# Altium PCB PCB_Rev1.1.PcbDoc (part 2 of 3) (continued)
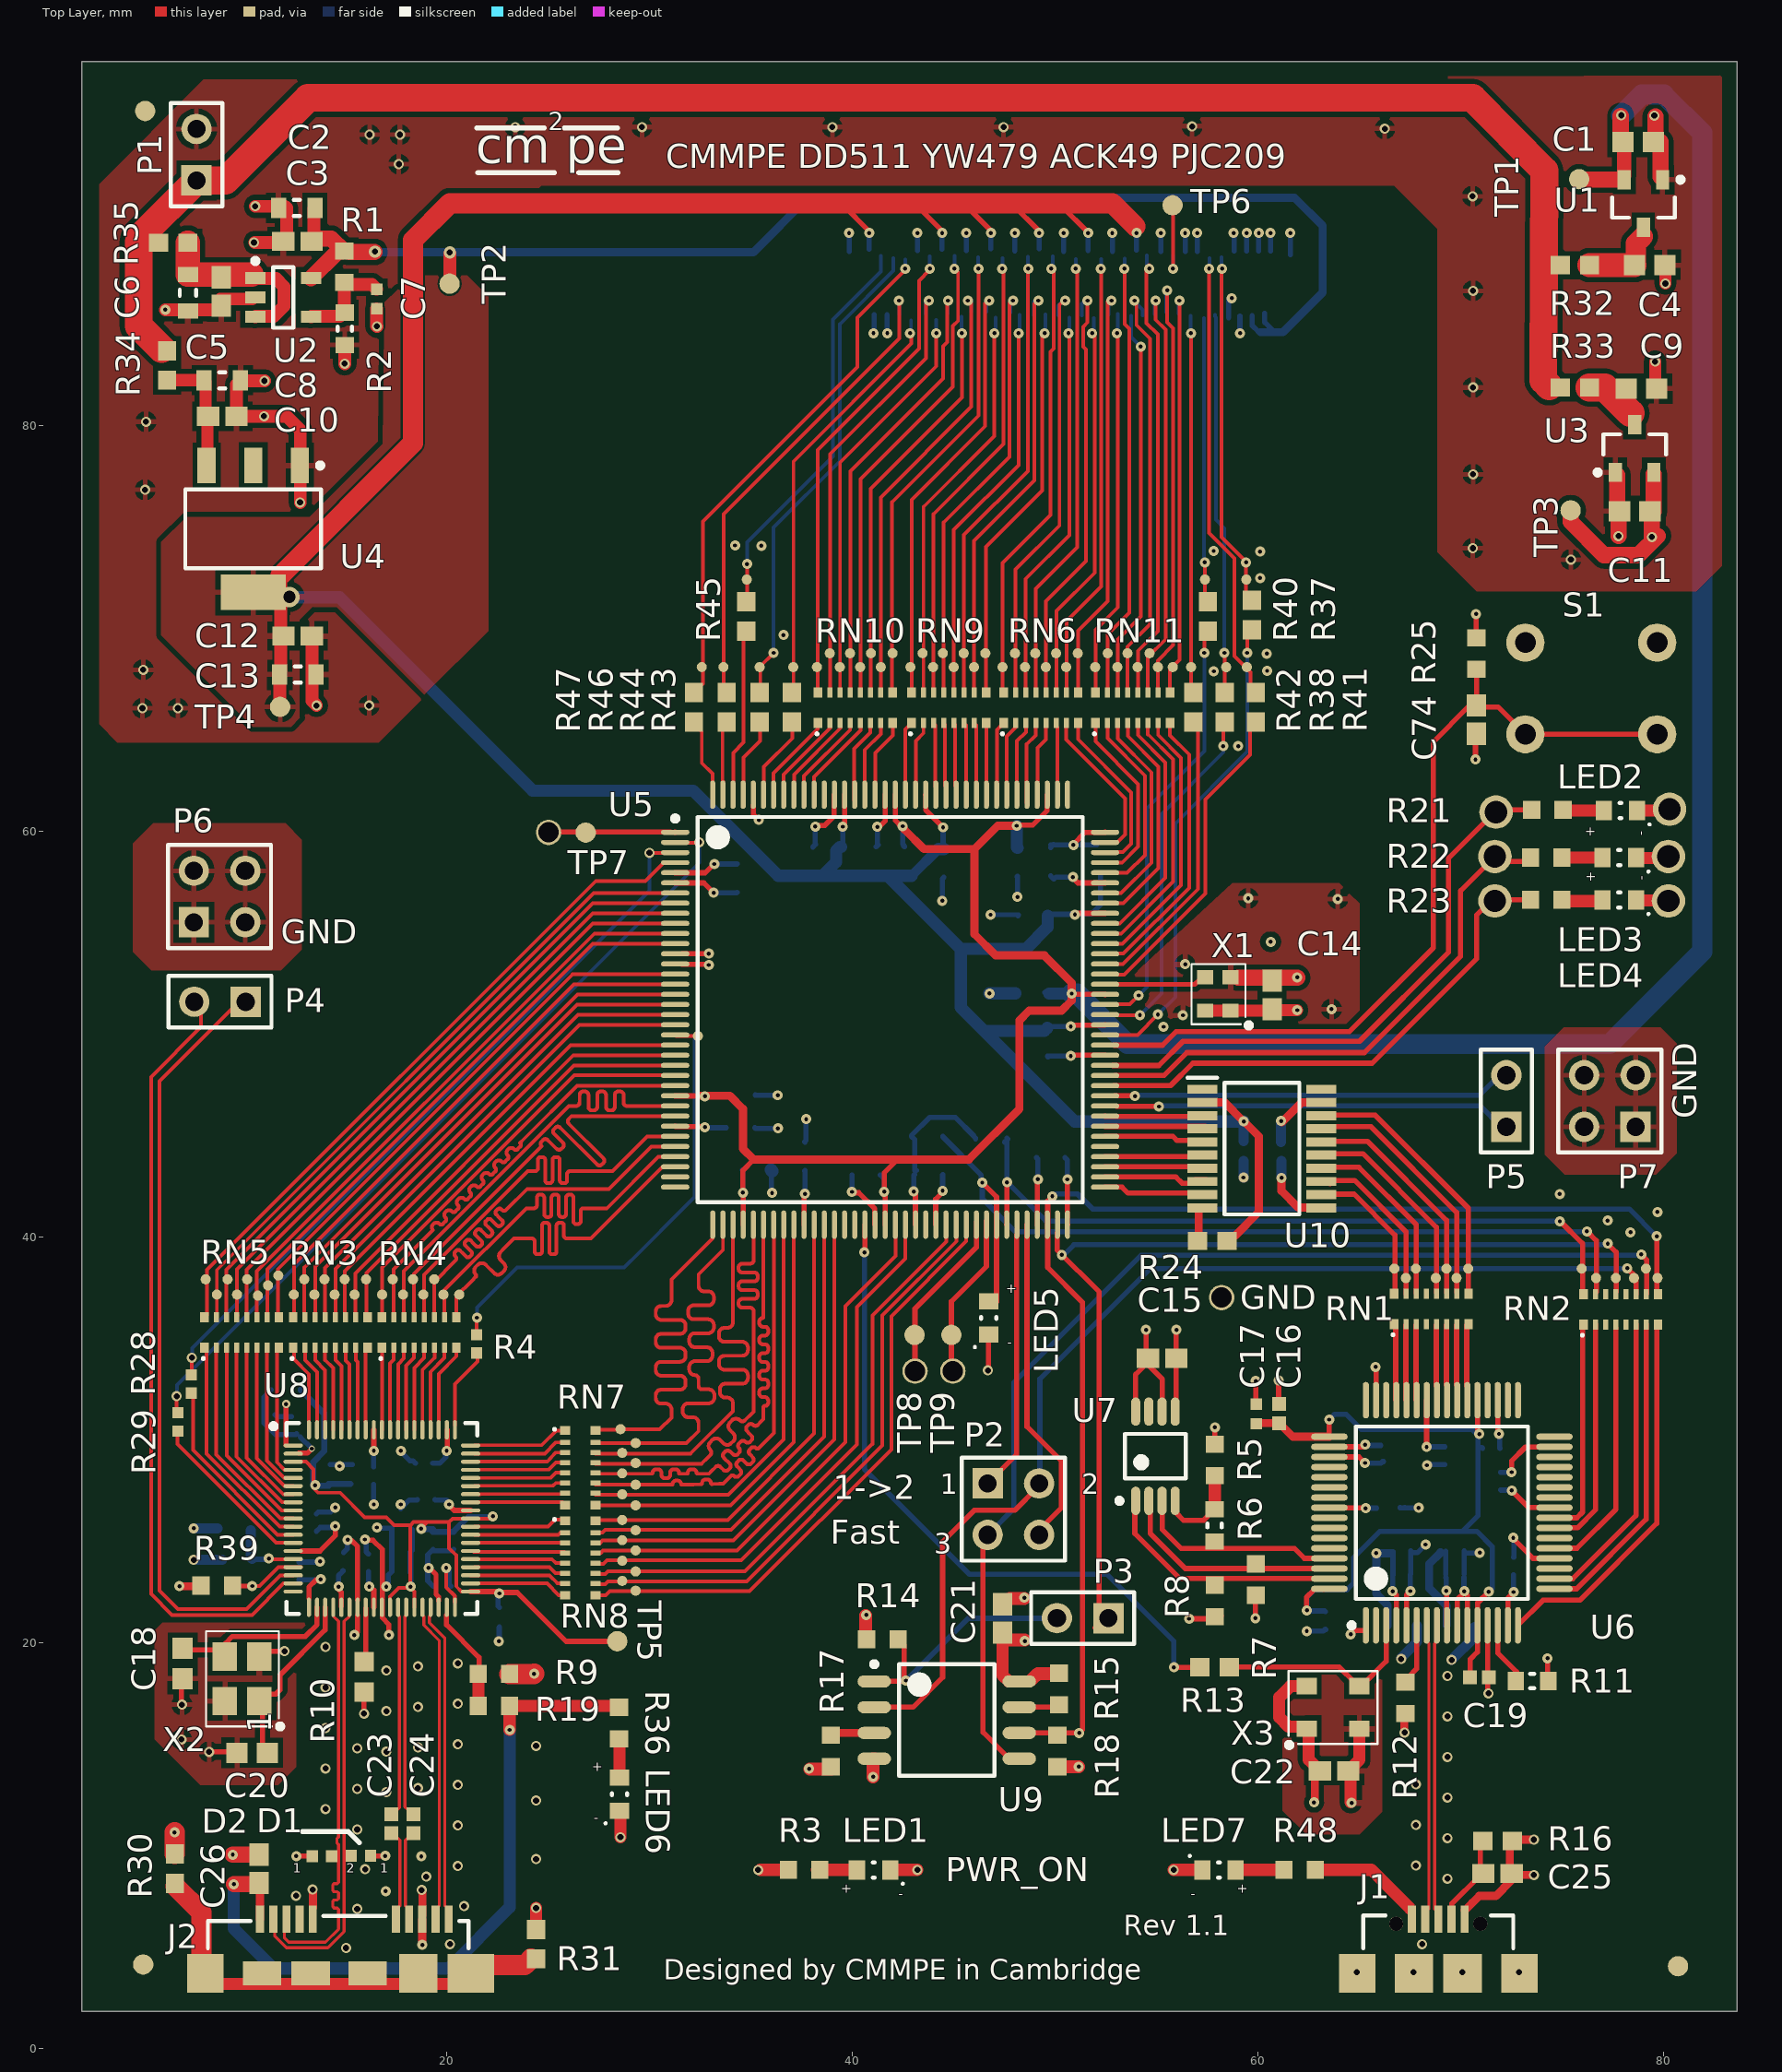
[diagram p0: Top Layer view]
## Nets (pads, with @x,y where several pads share a name; then routed paths per layer and width w, separated by ;. In a path a pad name is that pad's centre, name@x,y a point inside that pad or via, vN(x,y) a via of type N, cw(c..) or ccw(c..) an arc to the next point about the centre after c; other vN are vias at no path point) (continued)
FIFO_D13: pad.2@28.638,29.347 RN7.14 U5.39 | length 21.8
  Top Layer w0.18: RN7.14@27.331,29.317 32.017,29.317 34.1,31.4 34.1,31.729 34.1,31.798 ccw(c33.825,31.798) 33.825,32.073 33.729,32.073 cw(c33.729,32.348) 33.454,32.348 33.454,32.486 cw(c33.729,32.486) 33.729,32.761 34.1,32.761 34.563,32.761 ccw(c34.563,33.036) 34.838,33.036 34.838,33.174 ccw(c34.563,33.174) 34.563,33.449 34.1,33.449 33.685,33.449 cw(c33.685,33.724) 33.41,33.724 33.41,33.862 cw(c33.685,33.862) 33.685,34.137 34.1,34.137 34.563,34.137 ccw(c34.563,34.412) 34.838,34.412 34.838,34.55 ccw(c34.563,34.55) 34.563,34.825 34.1,34.825 33.685,34.825 cw(c33.685,35.1) 33.41,35.1 33.41,35.238 cw(c33.685,35.238) 33.685,35.513 33.825,35.513 ccw(c33.825,35.788) 34.1,35.788 34.1,36.201 U5.39@34.1,39.992
FIFO_D14: pad.2@29.302,29.833 RN7.15 U5.38 | length 23.3
  Top Layer w0.18: RN7.15@27.531,29.829 27.535,29.825 31.803,29.825 32.405,30.427 32.405,30.76 32.405,30.829 ccw(c32.13,30.829) 32.13,31.104 31.9,31.104 cw(c31.9,31.379) 31.625,31.379 31.625,31.517 cw(c31.9,31.517) 31.9,31.792 32.405,31.792 32.91,31.792 ccw(c32.91,32.067) 33.185,32.067 33.185,32.205 ccw(c32.91,32.205) 32.91,32.48 32.574,32.48 cw(c32.574,32.649) 32.405,32.649 32.405,32.839 32.405,33 ccw(c32.222,33) 32.222,33.183 cw(c32.222,33.458) 31.947,33.458 31.947,33.596 cw(c32.222,33.596) 32.222,33.871 32.405,33.871 32.815,33.871 ccw(c32.815,34.146) 33.09,34.146 33.09,34.284 ccw(c32.815,34.284) 32.815,34.559 32.405,34.559 32.222,34.559 cw(c32.222,34.834) 31.947,34.834 31.947,34.972 cw(c32.222,34.972) 32.222,35.247 32.405,35.247 32.883,35.247 ccw(c32.883,35.522) 33.158,35.522 33.158,35.66 ccw(c32.883,35.66) 32.883,35.935 32.405,35.935 32.169,35.935 cw(c32.169,36.21) 31.893,36.21 31.893,36.348 cw(c32.169,36.348) 32.169,36.623 32.405,36.623 32.883,36.623 ccw(c32.883,36.898) 33.158,36.898 33.158,37.036 ccw(c32.883,37.036) 32.883,37.311 32.68,37.311 cw(c32.68,37.586) 32.405,37.586 32.405,37.627 32.405,38.14 33.61,39.345 U5.38@33.61,40.028
FIFO_D15: pad.2@28.559,30.519 RN7.16 U5.37 | length 22
  Top Layer w0.18: RN7.16@27.404,30.433 27.46,30.489 pad.2@28.559,30.489 ; pad.2@28.649,30.51 30.491,30.51 31.07,31.089 31.07,31.433 31.07,31.502 ccw(c30.795,31.502) 30.795,31.777 30.565,31.777 cw(c30.565,32.052) 30.29,32.052 30.29,32.19 cw(c30.565,32.19) 30.565,32.465 31.07,32.465 31.489,32.465 ccw(c31.489,32.74) 31.764,32.74 31.764,32.878 ccw(c31.489,32.878) 31.489,33.153 31.07,33.153 30.565,33.153 cw(c30.565,33.428) 30.29,33.428 30.29,33.566 cw(c30.565,33.566) 30.565,33.841 31.07,33.841 31.489,33.841 ccw(c31.489,34.116) 31.764,34.116 31.764,34.254 ccw(c31.489,34.254) 31.489,34.529 31.07,34.529 30.565,34.529 cw(c30.565,34.804) 30.29,34.804 30.29,34.942 cw(c30.565,34.942) 30.565,35.217 31.07,35.217 31.489,35.217 ccw(c31.489,35.492) 31.764,35.492 31.764,35.63 ccw(c31.489,35.63) 31.489,35.905 31.07,35.905 30.565,35.905 cw(c30.565,36.18) 30.29,36.18 30.29,36.318 cw(c30.565,36.318) 30.565,36.593 30.795,36.593 ccw(c30.795,36.868) 31.07,36.868 31.07,37.117 31.07,37.894 U5.37@33.093,39.917
FIFO_D16: pad.2@20.604,37.153 RN4.9 U5.34 | length 21.1
  Top Layer w0.18: RN4.9@20.461,36.029 20.461,37.073 21.229,37.841 21.42,38.032 ccw(c21.368,38.084) 21.42,38.137 cw(c21.615,38.331) 21.42,38.526 21.517,38.623 cw(c21.712,38.428) 21.906,38.623 21.959,38.571 22.316,38.214 ccw(c22.51,38.408) 22.705,38.214 22.802,38.311 ccw(c22.608,38.506) 22.802,38.7 22.64,38.863 cw(c22.834,39.057) 22.64,39.252 22.807,39.419 23.307,39.919 23.782,39.919 23.962,39.919 24.178,39.919 cw(c24.178,39.775) 24.322,39.775 24.322,39.283 ccw(c24.466,39.283) 24.466,39.139 24.538,39.139 ccw(c24.538,39.283) 24.682,39.283 24.682,39.919 24.682,40.555 cw(c24.826,40.555) 24.826,40.699 24.898,40.699 cw(c24.898,40.555) 25.042,40.555 25.042,39.919 25.042,39.283 ccw(c25.186,39.283) 25.186,39.139 25.258,39.139 ccw(c25.258,39.283) 25.402,39.283 25.402,39.919 25.402,40.555 cw(c25.546,40.555) 25.546,40.699 25.618,40.699 cw(c25.618,40.555) 25.762,40.555 25.762,40.063 ccw(c25.906,40.063) 25.906,39.919 25.986,39.919 27.101,39.919 U5.34@30.625,43.443
FIFO_D17: pad.2@19.821,37.153 RN4.10 U5.33 | length 21.9
  Top Layer w0.18: RN4.10@19.873,36.029 19.873,37.377 23.905,41.409 24.252,41.409 24.288,41.409 ccw(c24.288,41.553) 24.432,41.553 24.432,41.936 cw(c24.576,41.936) 24.576,42.08 24.648,42.08 cw(c24.648,41.936) 24.792,41.936 24.792,41.409 24.792,41.123 ccw(c24.936,41.123) 24.936,40.979 25.008,40.979 ccw(c25.008,41.123) 25.152,41.123 25.152,41.409 25.152,41.936 cw(c25.296,41.936) 25.296,42.08 25.368,42.08 cw(c25.368,41.936) 25.512,41.936 25.512,41.409 25.512,41.123 ccw(c25.656,41.123) 25.656,40.979 25.728,40.979 ccw(c25.728,41.123) 25.872,41.123 25.872,41.409 25.872,41.936 cw(c26.016,41.936) 26.016,42.08 26.088,42.08 cw(c26.088,41.936) 26.232,41.936 26.232,41.409 26.232,40.773 ccw(c26.376,40.773) 26.376,40.629 26.448,40.629 ccw(c26.448,40.773) 26.592,40.773 26.592,41.265 cw(c26.736,41.265) 26.736,41.409 26.768,41.409 27.882,41.409 30.424,43.951 U5.33@31.253,43.951
FIFO_D18: pad.2@19.369,37.907 RN4.11 U5.32 | length 21.3
  Top Layer w0.18: RN4.11@19.359,36.029 19.359,37.772 20.395,38.808 20.42,38.833 ccw(c20.319,38.935) 20.42,39.037 20.398,39.059 cw(c20.5,39.161) 20.398,39.263 20.449,39.314 cw(c20.551,39.212) 20.653,39.314 20.777,39.19 20.93,39.036 ccw(c21.032,39.138) 21.134,39.036 21.185,39.087 ccw(c21.083,39.189) 21.185,39.291 21.031,39.444 20.907,39.569 cw(c21.009,39.67) 20.907,39.772 20.958,39.823 cw(c21.06,39.721) 21.162,39.823 21.286,39.699 21.44,39.545 ccw(c21.541,39.647) 21.643,39.545 21.694,39.596 ccw(c21.592,39.698) 21.694,39.8 21.541,39.954 21.416,40.078 cw(c21.518,40.18) 21.416,40.281 21.467,40.332 cw(c21.569,40.23) 21.671,40.332 21.795,40.208 21.949,40.054 ccw(c22.05,40.156) 22.152,40.054 22.203,40.105 ccw(c22.101,40.207) 22.203,40.309 22.05,40.463 21.925,40.587 cw(c22.027,40.689) 21.925,40.79 21.976,40.841 cw(c22.078,40.74) 22.18,40.841 22.304,40.717 22.458,40.564 ccw(c22.56,40.665) 22.661,40.564 22.712,40.615 ccw(c22.61,40.716) 22.712,40.818 22.559,40.972 22.435,41.096 cw(c22.536,41.198) 22.435,41.3 22.485,41.351 cw(c22.587,41.249) 22.689,41.351 22.711,41.328 ccw(c22.813,41.43) 22.915,41.328 22.922,41.335 23.949,42.362 27.985,42.362 30.074,44.451 U5.32@31.253,44.451
FIFO_D19: pad.2@18.831,37.153 RN4.12 U5.31 | length 21.3
  Top Layer w0.18: RN4.12@18.873,36.029 18.873,38.137 23.978,43.241 24.301,43.241 24.337,43.241 ccw(c24.337,43.385) 24.481,43.385 24.481,43.787 cw(c24.625,43.787) 24.625,43.931 24.697,43.931 cw(c24.697,43.787) 24.841,43.787 24.841,43.241 24.841,42.788 ccw(c24.985,42.788) 24.985,42.644 25.057,42.644 ccw(c25.057,42.788) 25.201,42.788 25.201,43.241 25.201,43.787 cw(c25.345,43.787) 25.345,43.931 25.417,43.931 cw(c25.417,43.787) 25.561,43.787 25.561,43.241 25.561,42.788 ccw(c25.705,42.788) 25.705,42.644 25.777,42.644 ccw(c25.777,42.788) 25.921,42.788 25.921,43.097 cw(c26.065,43.097) 26.065,43.241 26.157,43.241 28.169,43.241 29.875,44.947 U5.31@30.706,44.947
FIFO_D20: pad.2@18.322,37.907 RN4.13 U5.29 | length 25.3
  Top Layer w0.18: RN4.13@18.359,36.029 18.359,38.168 24.506,44.315 24.66,44.469 cw(c24.776,44.585) 24.66,44.701 24.735,44.776 cw(c24.851,44.66) 24.967,44.776 25.398,44.344 ccw(c25.521,44.467) 25.644,44.344 25.705,44.406 ccw(c25.582,44.528) 25.705,44.651 25.274,45.083 cw(c25.39,45.199) 25.274,45.315 25.349,45.39 cw(c25.465,45.274) 25.581,45.39 27.397,43.573 ccw(c27.52,43.696) 27.642,43.573 27.704,43.635 ccw(c27.581,43.758) 27.704,43.88 26.01,45.574 cw(c26.133,45.696) 26.01,45.819 26.035,45.844 26.142,45.951 U5.29@31.253,45.951
FIFO_D21: pad.2@17.832,37.153 RN4.14 U5.28 | length 23.3
  Top Layer w0.18: RN4.14@17.873,36.029 17.873,37.153 17.873,38.312 23.988,44.427 26.012,46.451 26.322,46.451 26.365,46.451 ccw(c26.365,46.625) 26.539,46.625 26.539,46.995 cw(c26.713,46.995) 26.713,47.168 26.799,47.168 cw(c26.799,46.995) 26.973,46.995 26.973,46.451 26.973,46.406 ccw(c27.147,46.406) 27.147,46.233 27.233,46.233 ccw(c27.233,46.406) 27.407,46.406 27.407,46.451 27.407,46.995 cw(c27.581,46.995) 27.581,47.168 27.667,47.168 cw(c27.667,46.995) 27.841,46.995 27.841,46.451 27.841,46.406 ccw(c28.015,46.406) 28.015,46.233 28.101,46.233 ccw(c28.101,46.406) 28.275,46.406 28.275,46.451 28.275,46.995 cw(c28.449,46.995) 28.449,47.168 28.535,47.168 cw(c28.535,46.995) 28.709,46.995 28.709,46.625 ccw(c28.883,46.625) 28.883,46.451 28.889,46.451 U5.28@31.253,46.451
FIFO_D22: pad.2@17.321,37.907 RN4.15 U5.26 | length 22.6
  Top Layer w0.18: RN4.15@17.373,36.029 17.373,38.406 19.153,40.186 19.306,40.339 cw(c19.437,40.47) 19.306,40.6 19.353,40.646 cw(c19.483,40.516) 19.613,40.646 ccw(c19.711,40.744) 19.809,40.646 19.92,40.757 ccw(c19.822,40.855) 19.92,40.953 cw(c20.051,41.084) 19.92,41.214 19.966,41.26 cw(c20.097,41.13) 20.227,41.26 ccw(c20.325,41.358) 20.423,41.26 20.534,41.371 ccw(c20.436,41.469) 20.534,41.567 cw(c20.664,41.697) 20.534,41.828 20.58,41.874 cw(c20.71,41.743) 20.841,41.874 ccw(c20.939,41.972) 21.037,41.874 21.148,41.985 ccw(c21.05,42.083) 21.148,42.181 cw(c21.278,42.311) 21.148,42.442 21.194,42.488 cw(c21.324,42.357) 21.455,42.488 ccw(c21.553,42.586) 21.65,42.488 21.762,42.599 ccw(c21.664,42.697) 21.762,42.795 cw(c21.892,42.925) 21.762,43.055 21.808,43.101 cw(c21.938,42.971) 22.068,43.101 ccw(c22.166,43.199) 22.264,43.101 22.375,43.212 ccw(c22.277,43.31) 22.375,43.408 cw(c22.506,43.539) 22.375,43.669 22.421,43.715 cw(c22.552,43.585) 22.682,43.715 ccw(c22.78,43.813) 22.878,43.715 22.989,43.826 ccw(c22.891,43.924) 22.989,44.022 cw(c23.119,44.152) 22.989,44.283 23.035,44.329 cw(c23.166,44.199) 23.296,44.329 ccw(c23.394,44.427) 23.492,44.329 23.603,44.44 ccw(c23.505,44.538) 23.603,44.636 23.789,44.822 26.417,47.45 U5.26@31.253,47.45
FIFO_D23: pad.2@16.801,37.153 RN4.16 U5.25 | length 20.1
  Top Layer w0.18: RN4.16@16.807,36.165 16.807,37.22 16.807,38.498 26.272,47.964 U5.25@30.609,47.964
FIFO_D24: pad.2@16.009,37.907 RN3.9 U5.24 | length 21.5
  Top Layer w0.18: RN3.9@16.023,36.158 16.023,38.218 26.256,48.451 U5.24@31.253,48.451
FIFO_D25: pad.2@15.441,37.153 RN3.10 U5.23 | length 22.2
  Top Layer w0.18: RN3.10@15.475,36.24 15.475,38.205 26.221,48.951 U5.23@31.253,48.951
FIFO_D26: pad.2@14.949,37.907 RN3.11 U5.22 | length 22.6
  Top Layer w0.18: RN3.11@14.956,36.165 14.956,38.318 26.093,49.454 U5.22@30.835,49.454
FIFO_D27: pad.2@14.452,37.153 RN3.12 U5.20 | length 24.1
  Top Layer w0.18: RN3.12@14.5,36.029 14.5,38.414 26.537,50.451 U5.20@31.253,50.451
FIFO_D28: pad.2@13.954,37.907 RN3.13 U5.19 | length 24.7
  Top Layer w0.18: RN3.13@13.979,36.199 13.979,38.47 26.46,50.951 U5.19@31.253,50.951
FIFO_D29: pad.2@13.457,37.153 RN3.14 U5.18 | length 25.6
  Top Layer w0.18: RN3.14@13.5,36.029 13.5,37.153 13.5,38.534 26.417,51.451 U5.18@31.253,51.451
FIFO_D30: pad.2@12.96,37.907 RN3.15 U5.17 | length 25.5
  Top Layer w0.18: RN3.15@12.967,36.199 12.967,38.484 26.431,51.948 U5.17@30.584,51.948
FIFO_D31: pad.2@12.443,37.153 RN3.16 U5.16 | length 27
  Top Layer w0.18: RN3.16@12.457,36.165 12.457,37.153 12.457,38.655 26.253,52.451 U5.16@31.253,52.451
FLASH_MISO: P2.2 pad.2@78.536,37.97 RN2.11 U9.2 | length 54.1
  Top Layer w0.254: U9.2@41.072,16.809 42.98,16.809 44.443,18.272 44.443,24.963 46.003,26.523 48.011,26.523 P2.2@49.134,27.646 ; v1(78.207,38.448) 78.65,38.005 RN2.11@78.65,37.181
  Bottom Layer w0.254: P2.2@49.239,28.081 49.239,32.993 54.674,38.428 76.334,38.428 v1@78.207,38.428
FLASH_MOSI: P2.3 pad.2@79.13,38.433 RN2.10 U9.5 | length 54.9
  Top Layer w0.254: P2.3@46.661,25.302 46.439,25.08 46.439,15.571 U9.5@47.632,14.378 ; v1(78.899,39.132) 79.173,38.858 RN2.10@79.173,37.181
  Bottom Layer w0.254: P2.3@46.846,25.486 47.951,26.591 47.951,32.812 54.224,39.085 76.014,39.085 v1@78.899,39.085
FT_CLK: R4.1 U8.58 | length 3.8
  Top Layer w0.18: U8.58@20.389,30.716 20.389,32.736 21.507,33.854 R4.1@21.507,34.06
FT_GPIO0: P4.1 U8.17 | length 38.8
  Top Layer w0.18: P4.1@10.29,51.374 9.527,51.374 5.821,47.668 5.821,22.559 6.726,21.654 10.123,21.654 11.78,23.311 U8.17@12.413,23.311
FT_GPIO1: P4.2 U8.18 | length 37.7
  Top Layer w0.18: P4.2@7.868,51.024 7.868,50.354 5.4,47.887 5.4,22.391 6.44,21.351 10.383,21.351 11.943,22.911 U8.18@12.413,22.911
FT_OE: R29.2 U5.2 | length 39.4
  Top Layer w0.18: R29.2@6.667,31.322 v2(6.667,32.146) ; U5.2@31.577,59.437 v2@32.361,59.437
  Bottom Layer w0.18: v2@6.681,32.329 6.681,32.685 32.435,58.439 v2(32.435,59.456)
FT_RD: R28.2 U5.3 | length 36.1
  Top Layer w0.112: U5.3@31.253,58.951 U5.3@31.259,58.946
  Top Layer w0.18: R28.2@7.416,33.254 v2(7.416,34.045) ; v2(29.986,58.932) U5.3@31.051,58.932
  Bottom Layer w0.18: v2@7.425,34.045 7.425,34.504 10.368,37.447 29.986,57.065 v2(29.986,58.932)
FT_RXF: pad.2@9.175,37.907 RN5.14 U5.8 | length 32
  Top Layer w0.18: RN5.14@9.122,36.029 9.122,38.376 27.197,56.451 U5.8@31.253,56.451
FT_SIWU: pad.2@8.649,37.153 RN5.15 U5.7 | length 32
  Top Layer w0.18: RN5.15@8.648,36.029 8.648,38.366 27.239,56.957 U5.7@30.629,56.957
FT_TXE: pad.2@9.645,37.153 RN5.13 U5.9 | length 31.2
  Top Layer w0.18: RN5.13@9.644,36.127 9.644,38.404 27.191,55.951 U5.9@31.253,55.951 ; RN5.13@9.651,36.127 RN5.13@9.658,36.12
FT_WR: pad.2@8.097,37.907 RN5.16 U5.4 | length 33.8
  Top Layer w0.18: RN5.16@8.035,36.029 8.156,36.151 8.156,38.37 27.336,57.55 29.784,57.55 30.685,58.451 U5.4@31.253,58.451
GND: C1.2 C2.1 C3.1 C4.2 C5.1 C6.1 C7.1 C8.1 C9.2 C10.1 C11.2 C12.1 C13.1 C14.1 C15.1 C16.1 C17.1 C18.1 C19.1 C20.1 C21.1 C22.1 C25.2 C26.1 C27.2 C28.2 C29.2 C30.2 C31.2 C32.2 C33.2 C34.2 C35.2 C36.2 C37.2 C38.2 C39.2 C40.2 C41.2 C42.2 C43.2 C44.2 C45.1 C46.1 C47.2 C48.2 C49.1 C50.2 C51.2 C52.1 C53.1 C54.2 C55.2 C56.2 C57.2 C58.2 C59.1 C60.1 C61.1 C62.2 C63.1 C64.2 C65.2 C66.2 C67.1 C68.1 C69.2 C70.2 C71.2 C72.1 C74.1 C75.1 C76.1 D1.1 D2.1 J1.5 J1.Shell J2.5 J2.8 J3.1 J3.3 J3.5 J3.6 J3.7 J3.8 J3.13 J3.15 J3.19 J3.27 J3.35 J3.43 J3.51 J3.59 J3.64 J3.66 J3.68 J3.69 LED1.2 LED2.2 LED3.2 LED4.2 LED5.2 LED6.2 LED7.2 P1.2 P6.1 P6.2 P6.3 P6.4 P7.1 P7.2 P7.3 P7.4 pad.1@58.202,37.005 pad.1@80.239,56.563 pad.1@80.239,58.755 pad.1@80.293,61.086 R2.1 R9.1 R10.1 R12.1 R16.2 R30.2 R31.2 S1.1 S1.2 U1.1 U2.2 U3.1 U4.1 U5.5 U5.13 U5.14 U5.53 U5.59 U5.69 U5.86 U5.103 U5.127 U5.132 U5.140 U6.1 U6.5 U6.10 U6.11 U6.13 U6.15 U6.25 U6.35 U6.47 U6.51 U7.5 U8.1 U8.26 U8.29 U8.36 U9.4 U10.11 X1.2 X2.2 X2.4 X3.3 | length 200.7
  Top Layer w0.245: C5.1@8.712,85.754 C5.1@8.868,85.91 ; U8.1@12.061,29.728 v6@12.061,31.756 ; v1(12.565,9.465) D2.1@13.327,9.465 ; v1@16.1,25.04 16.352,25.04 16.811,24.581 U8.29@16.811,21.759 ; D1.1@16.267,9.478 v1(16.952,9.478) ; U8.29@16.811,21.713 16.811,21.212 17.126,20.897 v1@17.126,20.378 ; v1@19.11,23.694 19.461,23.343 19.461,22.372 19.582,22.25 U8.36@19.582,22.074 ; U7.5@55.96,31.766 v1@55.96,35.412 ; v2(79.544,95.286) v2@79.593,95.237 ; U1.1@79.797,92.287 U1.1@79.956,92.128
  Top Layer w0.254: v2@6.904,16.933 6.904,18.185 C18.1@6.962,18.245 ; v2(8.266,14.607) 9.668,14.607 C20.1@9.676,14.614 ; X2.2@10.895,19.232 11.235,19.57 v2(11.99,19.57) ; v1@15.059,25.043 15.277,25.043 15.588,24.732 U8.26@15.588,22.084 ; v1(15.426,20.365) 15.584,20.523 U8.26@15.584,21.351 ; v2(15.908,16.496) R10.1@15.908,17.543 ; U5.5@31.253,57.951 32.727,57.951 33.159,58.383 v1(33.187,58.383) ; U5.14@31.577,53.436 v1@32.99,53.436 ; U5.13@31.6,53.964 v1@33.013,53.964 ; U5.140@35.106,61.286 35.106,60.833 v1(35.378,60.561) ; v1@38.163,60.286 38.632,60.286 39.094,60.748 39.094,61.792 U5.132@39.103,61.801 ; v1(39.97,42.22) 40.018,42.173 40.309,42.173 41.094,41.389 41.094,40.61 U5.53@41.103,40.601 ; v1@41.267,60.102 41.267,60.169 41.603,60.505 U5.127@41.603,61.801 ; U5.59@44.103,40.601 44.103,41.864 44.444,42.205 v1(44.444,42.271) ; v2@46.695,33.412 LED5.2@46.695,35.215 ; U5.69@49.105,40.576 v1@49.105,42.652 ; v1@50.742,48.86 50.809,48.86 50.899,48.951 U5.86@52.453,48.951 ; v1@50.855,57.646 50.922,57.646 51.117,57.451 U5.103@52.453,57.451 ; v1(59.889,32.888) 59.898,32.879 59.898,31.757 C17.1@59.908,31.747 ; v1(61.014,32.912) 61.014,31.734 C16.1@61.036,31.712 ; U6.51@63.516,29.146 64.978,29.146 v1(65.272,28.852) ; v1(64.569,20.403) 64.754,20.588 65.295,20.588 65.316,20.609 U6.1@65.316,20.846 ; U6.47@65.816,31.946 v1@65.816,33.568 ; R12.1@67.211,16.572 R12.1@67.256,16.616 ; U6.5@67.316,20.846 67.316,22.337 v1(67.509,22.53) ; U6.10@69.816,20.846 69.825,20.855 69.825,22.117 v1@70.168,22.46 ; v1(70.168,22.526) v1@70.168,22.46 ; U6.11@70.316,20.846 70.316,22.312 v1@70.168,22.46 ; v1(70.721,63.533) 70.721,64.768 C74.1@70.759,64.806 ; U6.13@71.316,20.846 71.325,20.837 v2@71.325,17.491 ; v1@71.816,30.293 U6.35@71.816,31.946 ; U6.15@72.316,20.846 72.316,22.184 72.615,22.484 v1@72.615,22.55 ; v1(72.507,27.494) 73.346,26.655 74.607,26.655 U6.25@74.616,26.646 ; C25.2@72.511,8.606 C25.2@72.578,8.539 ; R16.2@72.536,10.207 R16.2@72.61,10.281
  Top Layer w0.4: J2.5@13.382,6.927 v2@13.382,7.814 ; v1(18.782,5.087) J2.8@18.782,6.334 ; J2.8@18.79,6.547 v2@18.79,7.794 ; v1(61.154,42.906) 61.154,42.268 61.98,41.442 U10.11@62.784,41.442 ; v2@67.211,15.558 R12.1@67.211,16.572 ; J1.5@70.205,6.804 70.561,7.16 70.901,7.5 71.726,7.5 C25.2@72.466,8.24 ; C25.2@72.42,8.606 R16.2@72.42,9.775 ; C25.2@72.578,8.539 v2(73.603,8.539) ; R16.2@72.61,10.281 v2(73.601,10.281)
  Top Layer w0.6: R31.2@24.391,5.852 v2(24.391,6.906) ; v2(28.55,10.404) LED6.2@28.55,11.735 ; LED1.2@41.866,8.787 v2(43.197,8.787) ; v2(55.84,8.787) LED7.2@57.208,8.787 ; C22.1@64.448,13.67 64.995,14.217 X3.3@64.995,15.748 ; v1@64.566,12.125 C22.1@64.566,13.333 ; LED4.2@78.574,56.581 pad.1@80.585,56.581 ; LED3.2@78.609,58.68 79.953,58.68 pad.1@80.23,58.957 ; LED2.2@78.649,61.019 pad.1@79.98,61.019 ; C1.2@79.488,93.98 C1.2@79.513,93.98 ; C9.2@79.582,81.819 v2(79.582,83.157) ; C4.2@80.071,87.92 80.089,87.902 v2(80.089,87.006)
  Top Layer w0.635: v1(6.106,85.718) 8.676,85.718 C5.1@8.712,85.754 ; C5.1@8.78,86.183 8.817,86.243 U2.2@10.378,86.243 ; C10.1@9.617,80.458 C10.1@9.617,80.461 ; v2@10.517,89.028 C3.1@11.981,89.028 ; v2(10.543,90.812) 12.007,90.812 12.083,90.736 C3.1@12.083,89.085 ; v2(10.994,82.208) 9.955,82.208 9.872,82.291 C8.1@9.817,82.236 9.617,82.036 C10.1@9.617,80.461 ; v2@12.764,76.212 12.764,79.785 12.088,80.461 v2(10.975,80.461) C10.1@9.617,80.461 ; C12.1@13.335,69.625 13.335,66.423 v2(13.56,66.198) ; v2(14.952,83.052) R2.1@14.952,83.973 ; C7.1@16.536,85.762 16.536,84.908 v2(16.545,84.899) ; v1(41.015,13.38) 41.015,14.252 41.033,14.269 U9.4@41.072,14.269 ; C21.1@47.763,22.17 v1@48.467,22.17
  Top Layer w0.8: v1(9.435,9.536) C26.1@10.686,9.536 ; X1.2@59.02,52.778 v1@61.935,52.778 ; C11.2@77.704,75.843 U3.1@77.704,77.561 ; v2(77.776,74.553) C11.2@77.776,75.81 ; C1.2@79.593,93.98 v2@79.593,95.237 ; U1.1@79.842,92.269 C1.2@79.842,93.987
  Top Layer w1: v1(6.56,10.638) 6.579,10.619 R30.2@6.579,9.57 ; R9.1@23.083,18.45 24.288,18.45 v1(24.298,18.46)
  Bottom Layer w0.245: 11.996,31.146 12.057,31.207 v6@12.057,31.756 ; C47.2@14.244,28.765 C48.2@15.341,28.765 ; C51.2@16.369,27.789 16.379,27.78 16.379,26.816 v1(16.388,26.806) ; v1@17.726,29.396 18.163,28.959 18.313,28.959 C50.2@18.439,28.833 ; C56.2@19.255,24.525 20.267,24.525 C57.2@20.342,24.6 ; v1(46.808,55.883) 48.093,55.883 48.094,55.884 48.153,55.825 C33.2@48.191,55.863 ; v1(48.131,56.762) 48.131,57.733 48.107,57.757 C31.2@48.133,57.783 ; C30.2@49.765,57.799 49.93,57.634 50.036,57.74 v1(50.868,57.74)
  Bottom Layer w0.254: C43.2@11.516,31.236 C43.2@11.539,31.213 ; C43.2@11.626,31.139 11.633,31.146 11.996,31.146 C44.2@12.332,31.146 ; C66.2@12.694,23.949 12.708,23.963 13.516,23.963 v1@13.53,23.977 ; C55.2@13.562,26.348 13.643,26.428 14.256,26.428 v1(14.485,26.657) ; C65.2@14.898,24.438 15.081,24.62 v1@15.081,25.007 ; v1@15.958,25.128 16.005,25.081 16.005,24.476 C64.2@16.126,24.355 ; v1@16.444,25.652 16.453,25.643 17.259,25.643 C58.2@17.268,25.634 ; v1@16.954,22.72 16.954,22.787 17.114,22.947 17.114,23.341 C69.2@17.267,23.494 ; C69.2@17.275,23.494 C58.2@17.275,25.634 ; v1@17.714,26.591 18.148,27.025 18.52,27.025 C54.2@18.541,27.046 ; C56.2@19.305,24.578 19.049,24.322 19.049,23.043 C70.2@19.33,22.762 ; v1(22.553,20.061) 22.572,20.081 22.572,20.738 C71.2@22.592,20.758 ; v1(33.187,58.383) 34.298,58.383 C32.2@34.304,58.389 ; C37.2@35.175,45.38 35.212,45.343 35.216,45.347 v1(36.324,45.347) ; C36.2@35.205,46.991 35.22,46.977 35.226,46.982 v1(36.308,46.982) ; v1@36.006,42.261 C42.2@36.006,43.211 ; C38.2@37.649,44.674 37.637,44.686 37.711,44.76 v1(37.711,45.801) ; C29.2@38.041,59.222 38.174,59.355 38.162,59.366 v1(38.162,60.235) ; J3.69@39.83,88.587 v1@39.83,89.504 ; v1(39.97,42.22) 39.97,43.056 C41.2@39.973,43.058 ; v1@41.058,84.545 J3.66@41.058,85.462 ; C28.2@41.16,59.229 41.262,59.331 41.218,59.376 v1(41.218,60.221) ; v1@41.711,84.541 J3.64@41.711,85.458 ; J3.59@43.205,88.628 v1@43.205,89.545 ; v1(44.422,56.571) 44.422,57.642 C27.2@44.506,57.726 ; v1(44.444,42.271) 44.444,43.057 C40.2@44.454,43.067 ; J3.51@45.613,88.636 v1@45.613,89.553 ; J3.43@48.005,88.62 v1@48.005,89.537 ; C34.2@48.033,52.003 C34.2@48.077,52.047 ; C39.2@49.07,43.911 49.139,43.842 v1(49.139,42.844) ; C35.2@49.606,48.903 49.641,48.868 49.695,48.922 v1(50.762,48.922) ; J3.35@50.413,88.594 v1@50.413,89.511 ; J3.27@52.813,88.594 v1@52.813,89.511 ; J3.19@55.204,88.586 v1@55.204,89.503 ; J3.15@56.404,88.586 v1@56.404,89.503 ; J3.13@57.001,88.589 v1@57.001,89.5 ; J3.8@58.545,85.321 v1@58.545,86.238 ; J3.7@58.813,88.609 v1@58.813,89.524 ; v1@59.107,84.489 J3.6@59.107,85.406 ; J3.5@59.432,88.597 v1@59.432,89.534 ; J3.3@60.033,88.598 v1@60.033,89.539 ; J3.1@60.62,88.601 v1@60.62,89.536 ; J3.68@61.593,88.432 v1@61.593,89.513 ; v1(62.403,20.559) 63.212,20.559 63.315,20.662 C72.1@63.352,20.625 ; v1(65.272,28.852) 65.286,28.838 66.052,28.838 66.133,28.919 C45.1@66.196,28.919 ; C53.1@66.996,26.65 67.006,26.64 v1(67.921,26.64) ; C53.1@67.22,26.641 C53.1@67.226,26.647 ; C68.1@67.5,23.35 67.505,23.346 67.505,22.535 v1(67.509,22.53) ; C68.1@67.53,23.383 C60.1@67.53,24.52 ; C60.1@67.548,24.413 67.559,24.424 67.856,24.424 v1(68.26,24.828) ; v1(68.326,28.739) 68.356,28.768 C46.1@69.21,28.768 ; C67.1@70.156,23.373 C61.1@70.156,24.51 ; C67.1@70.162,23.208 70.153,23.199 70.153,22.542 v1(70.168,22.526) ; C61.1@70.162,24.345 C61.1@70.186,24.37 ; C61.1@70.173,24.408 70.18,24.416 70.925,24.416 v1(70.932,24.423) ; v1@71.914,30.127 71.921,30.121 71.921,29.587 C49.1@71.927,29.581 ; C52.1@71.957,27.529 71.975,27.511 72.489,27.511 v1(72.507,27.494) ; C63.1@72.6,23.334 72.603,23.331 72.603,22.669 v1@72.607,22.665
  Bottom Layer w0.5: v2@7.706,24.07 C59.1@8.906,24.07 ; v1(59.282,42.922) C76.1@59.282,43.739 ; v1@61.153,42.928 C75.1@61.153,43.745
  Bottom Layer w0.6: v1(46.751,52.003) C34.2@48.033,52.003
  Bottom Layer w0.635: C42.2@35.974,43.3 C42.2@36.029,43.245
  other v1: 16.974,7.743 18.731,9.456 64.612,12.088 17.136,20.365 48.469,22.207 72.6,22.485 17.003,22.754 19.091,23.675 13.735,23.99 15.097,25.059 15.95,25.08 16.546,25.669 17.714,26.806 14.703,28.694 17.726,29.45 71.883,30.283 65.793,33.591 55.979,35.412 78.365,40.226 77.242,40.799 79.692,41.229 74.877,42.113 36.029,42.164 55.338,50.357 56.29,50.927 63.622,51.225 61.935,52.798 32.911,53.405 56.408,53.44 32.911,53.965 63.932,56.663 59.514,56.692 59.017,64.199 57.819,67.884 60.447,67.909 60.432,68.757 36.596,69.675 60.102,72.485 60.101,73.788 57.81,73.818 35.499,74.077 34.209,74.093 41.032,84.555 41.714,84.555 59.109,84.555 58.706,86.286 39.827,89.502 43.202,89.502 45.61,89.502 48.002,89.502 50.41,89.502 52.81,89.502 55.201,89.502 56.401,89.502 56.995,89.502 58.797,89.502 59.437,89.502 60.039,89.502 60.612,89.502 61.59,89.502
  other v2: 64.87,3.738 67.67,3.738 70.07,3.738 72.87,3.738 15.016,4.936 20.143,5.124 68.09,5.121 15.569,6.858 20.842,6.998 12.551,7.516 18.745,7.794 13.373,7.814 69.347,8.351 18.975,8.454 15.966,8.818 20.537,8.974 67.785,9.001 24.391,9.318 69.347,10.351 15.569,10.778 20.537,10.974 67.785,11.001 14.008,11.783 24.391,12.205 69.347,12.351 17.008,12.618 15.569,12.778 18.569,12.816 20.537,12.974 67.785,13.001 14.008,13.783 69.347,14.351 17.008,14.618 15.569,14.778 18.569,14.816 24.391,14.905 20.537,14.974 6.906,15.221 67.23,15.558 14.008,15.783 69.347,16.351 17.008,16.618 18.569,16.816 6.924,16.933 20.537,16.974 71.368,17.491 14.008,17.783 69.347,18.351 17.008,18.618 18.569,18.816 20.537,18.974 14.008,19.783 7.504,24.068 46.679,33.412 4.979,66.066 6.727,66.066 16.155,66.195 5.017,67.962 75.427,73.392 70.594,73.954 12.754,76.212 5.111,76.833 70.605,77.596 5.151,80.195 70.605,81.88 70.605,86.649 10.48,89.027 70.578,91.309 17.622,92.892 16.179,94.347 17.674,94.346 66.247,94.635 23.361,94.719 29.615,94.72 39,94.72 47.447,94.72 56.748,94.749
  other v6: 12.064,31.756
ICE_CDONE: LED5.1 pad.2@76.669,37.97 R26.2 RN2.15 U5.65 | length 43.7
  Top Layer w0.254: v1(46.397,42.676) 47.103,41.97 U5.65@47.103,40.601 LED5.1@47.103,36.8 ; v1(76.22,40.274) 76.681,39.813 RN2.15@76.681,37.288
  Bottom Layer w0.254: R26.2@44.454,44.959 44.454,44.934 46.35,43.038 46.35,42.723 v1(46.397,42.676) 46.397,41.889 48.036,40.25 v1@76.22,40.25
ICE_CLK: R13.2 U5.52 | length 33.3
  Top Layer w0.254: v1@40.603,39.238 U5.52@40.603,40.601 ; v1@55.933,18.761 R13.2@57.1,18.761
  Bottom Layer w0.254: v1@40.582,39.28 40.582,28.545 45.771,23.356 52.552,23.356 55.848,20.06 v1(55.848,18.771)
  other v1: 40.585,39.238
ICE_CREST: pad.2@75.959,38.433 R27.2 RN2.16 U5.66 | length 36.4
  Top Layer w0.254: U5.66@47.603,40.601 47.605,40.603 47.605,42.679 v1(47.619,42.693) ; v1@74.896,40.776 75.999,39.673 RN2.16@75.999,37.332
  Bottom Layer w0.254: R27.2@47.502,44.664 R27.2@47.619,44.781 ; R27.2@47.613,44.86 R27.2@47.619,44.854 ; R27.2@47.619,44.86 R27.2@47.619,44.854 ; v1@74.749,40.78 49.532,40.78 v1(47.619,42.693) R27.2@47.619,44.781 ; R27.2@47.619,44.781 R27.2@47.619,44.854 ; R27.2@47.619,44.781 47.656,44.817 R27.2@47.619,44.854
  other v1: 74.883,40.764
ICE_Debug0: pad.1@71.682,56.563 R23.1 U5.83 | length 25.9
  Top Layer w0.254: U5.83@52.882,47.459 55.683,47.459 56.785,48.561 65.625,48.561 70.784,53.72 70.784,55.878 pad.1@71.489,56.583 ; pad.1@71.201,56.629 73.44,56.629 73.48,56.629 R23.1@73.487,56.622
ICE_Debug1: pad.1@71.682,58.755 R22.1 U5.84 | length 26.5
  Top Layer w0.254: U5.84@52.945,47.951 55.357,47.951 56.492,49.086 65.244,49.086 69.99,53.832 69.99,57.063 pad.1@71.682,58.755 ; pad.1@72.086,58.509 73.238,58.509 R22.1@73.429,58.7
ICE_Debug2: pad.1@71.736,60.943 R21.1 U5.85 | length 29.3
  Top Layer w0.254: U5.85@52.848,48.45 55.106,48.45 56.298,49.642 65.005,49.642 69.395,54.032 69.395,58.678 pad.1@71.555,60.838 ; pad.1@71.923,60.374 71.488,60.374 72.165,61.051 R21.1@73.493,61.051